# KiCad board Si5351ABreakout_panel.kicad_pcb (continued)
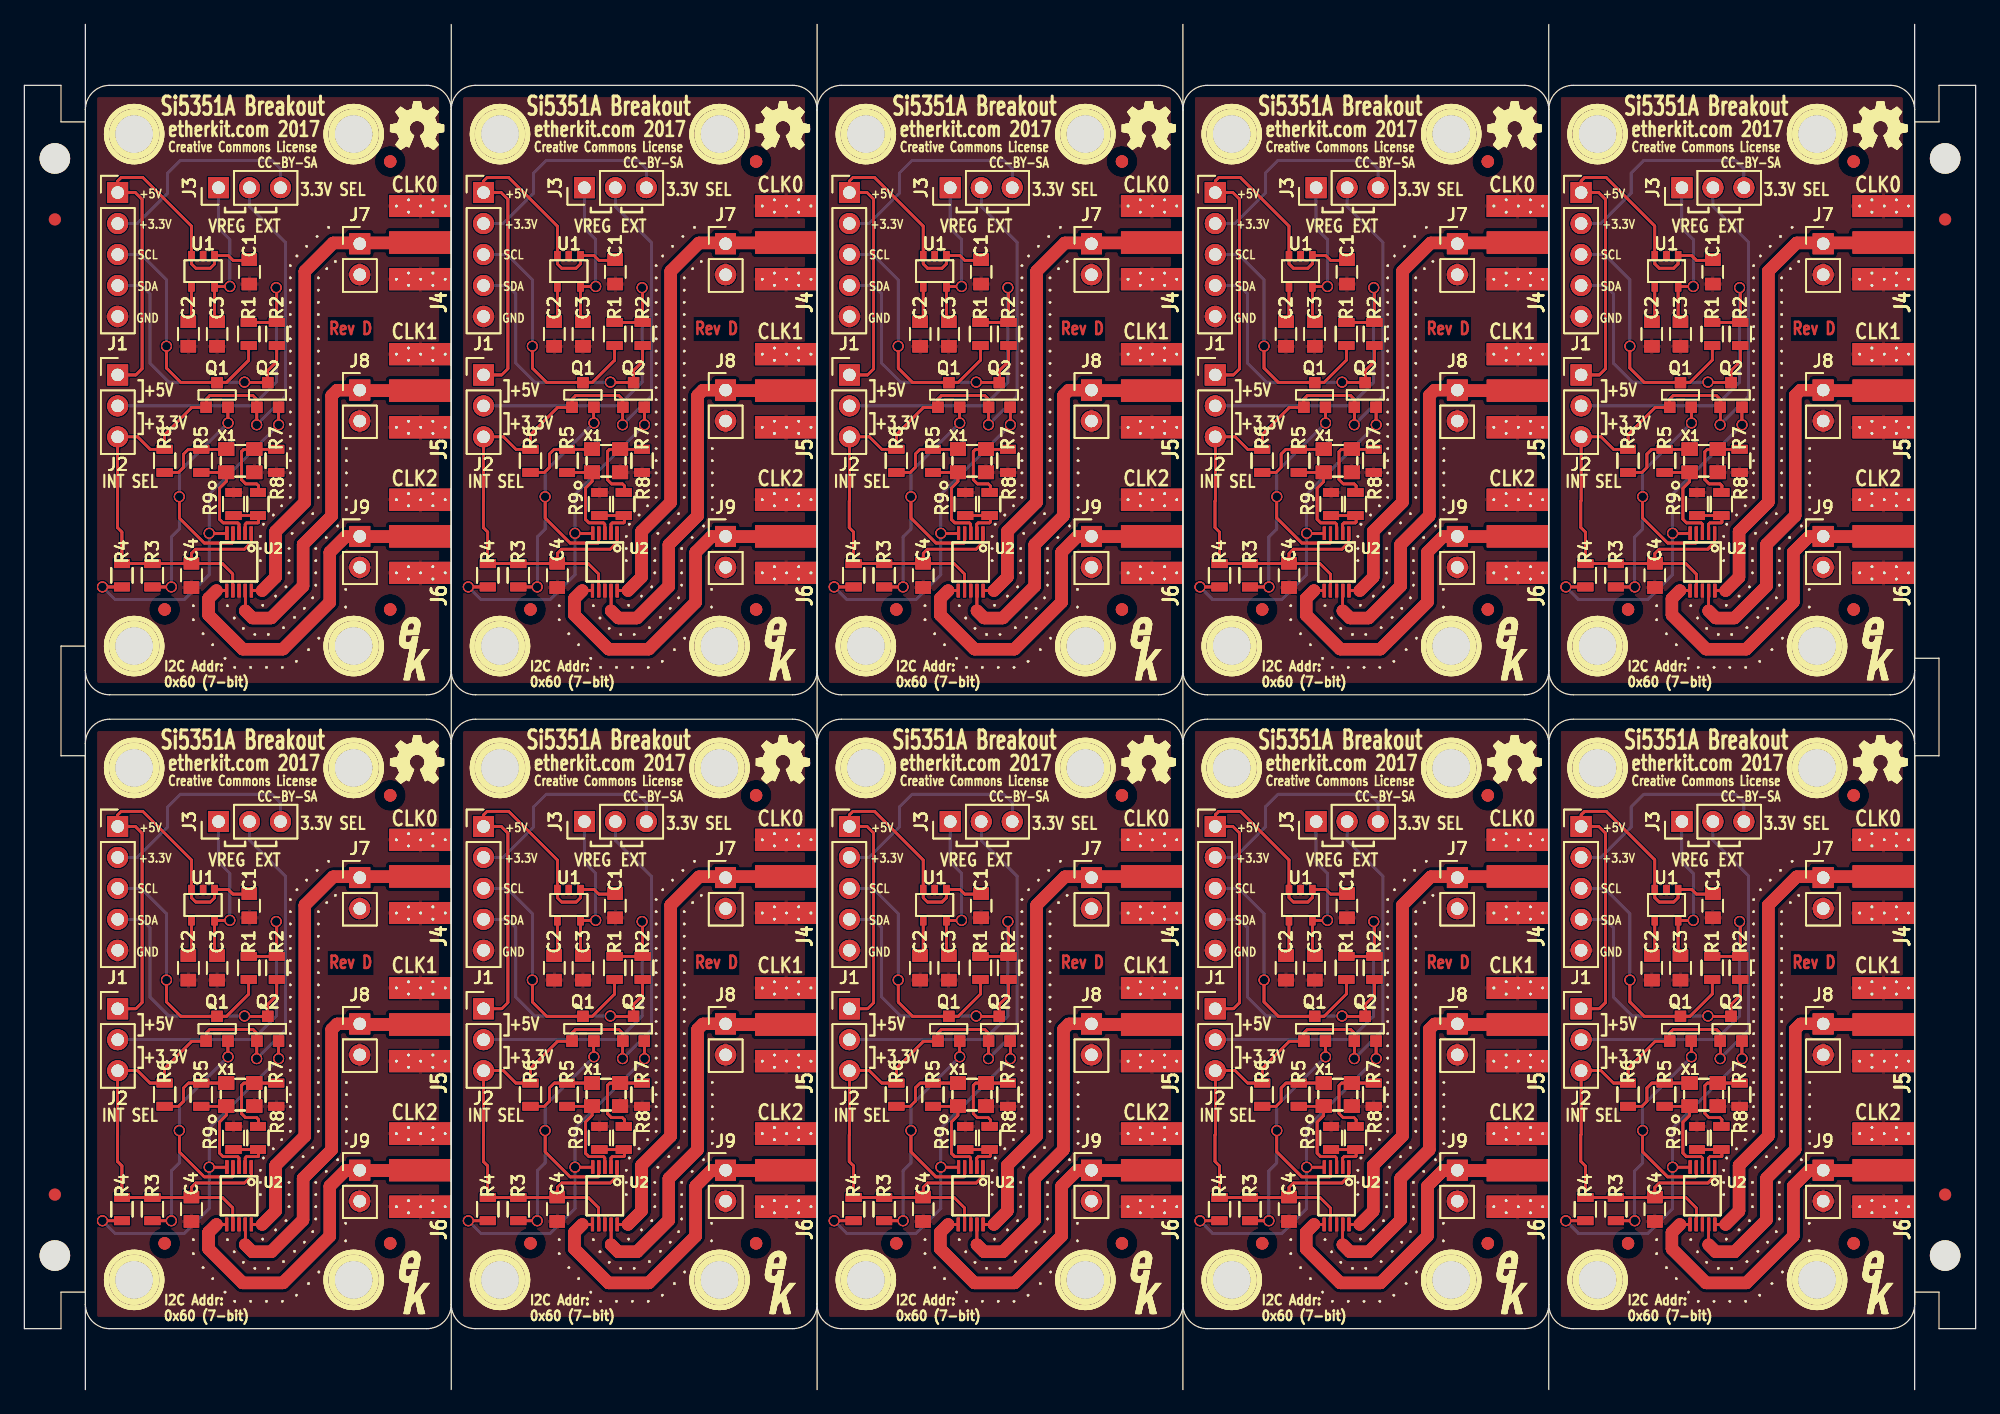
[diagram p0: board, top side]
## Nets (continued)
 VIA#1483. VIA#1484. VIA#1485. VIA#1486. VIA#1487. VIA#1488. VIA#1489. VIA#1490. VIA#1491. VIA#1492. VIA#1493. VIA#1494. VIA#1495. VIA#1496. VIA#1497. VIA#1498. VIA#1499. VIA#1500. VIA#1501. VIA#1502. VIA#1503. VIA#1504. VIA#1505. VIA#1506. VIA#1507. VIA#1508. VIA#1509. VIA#1510. VIA#1511. VIA#1512. VIA#1513. VIA#1514. VIA#1515. VIA#1516. VIA#1517. VIA#1518. VIA#1519. VIA#1520. VIA#1521. VIA#1522. VIA#1523. VIA#1524. VIA#1525. VIA#1526. VIA#1527. VIA#1528. VIA#1529. VIA#1530. VIA#1531. VIA#1532. VIA#1533. VIA#1534. VIA#1535. VIA#1536. VIA#1537. VIA#1538. VIA#1539. VIA#1540. VIA#1541. VIA#1542. VIA#1543. VIA#1544. VIA#1545. VIA#1546. VIA#1547. VIA#1548. VIA#1549. VIA#1550. VIA#1551. VIA#1552. VIA#1553. VIA#1554. VIA#1555. VIA#1556. VIA#1557. VIA#1558. VIA#1559. VIA#1560. VIA#1561. VIA#1562. VIA#1563. VIA#1564. VIA#1565. VIA#1566. VIA#1567. VIA#1568. VIA#1569. VIA#1570. VIA#1571. VIA#1572. VIA#1573. VIA#1574. VIA#1575. VIA#1576. VIA#1577. VIA#1578. VIA#1579. VIA#1580. VIA#1581. VIA#1582. VIA#1583. VIA#1584. VIA#1585. VIA#1586. VIA#1587. VIA#1588. VIA#1589. VIA#1590. VIA#1591. VIA#1592. VIA#1593. VIA#1594. VIA#1595. VIA#1596. VIA#1597. VIA#1598. VIA#1599. VIA#1600. VIA#1601. VIA#1602. VIA#1603. VIA#1604. VIA#1605. VIA#1606. VIA#1607. VIA#1608. VIA#1609. VIA#1610. VIA#1611. VIA#1612. VIA#1613. VIA#1614. VIA#1615. VIA#1616. VIA#1617. VIA#1618. VIA#1619. VIA#1620. VIA#1621. VIA#1622. VIA#1623. VIA#1624. VIA#1625. VIA#1626. VIA#1627. VIA#1628. VIA#1629. VIA#1630. VIA#1631. VIA#1632. VIA#1633. VIA#1634. VIA#1635. VIA#1636. VIA#1637. VIA#1638. VIA#1639. VIA#1640. VIA#1641. VIA#1642. VIA#1643. VIA#1644. VIA#1645. VIA#1646. VIA#1647. VIA#1648. VIA#1649. VIA#1650. VIA#1651. VIA#1652. VIA#1653. VIA#1654. VIA#1655. VIA#1656. VIA#1657. VIA#1658. VIA#1659. VIA#1660. VIA#1661. VIA#1662. VIA#1663. VIA#1664. VIA#1665. VIA#1666. VIA#1667. VIA#1668. VIA#1669. VIA#1670. VIA#1671. VIA#1672. VIA#1673. VIA#1674. VIA#1675. VIA#1676. VIA#1677. VIA#1678. VIA#1679. VIA#1680. VIA#1681. VIA#1682. VIA#1683. VIA#1684. VIA#1685. VIA#1686. VIA#1687. VIA#1688. VIA#1689. VIA#1690. VIA#1691. VIA#1692. VIA#1693. VIA#1694. VIA#1695. VIA#1696. VIA#1697. VIA#1698. VIA#1699. VIA#1700. VIA#1701. VIA#1702. VIA#1703. VIA#1704. VIA#1705. VIA#1706. VIA#1707. VIA#1708. VIA#1709. VIA#1710. VIA#1711. VIA#1712. VIA#1713. VIA#1714. VIA#1715. VIA#1716. VIA#1717. VIA#1718. VIA#1719. VIA#1720. VIA#1721. VIA#1722. VIA#1723. VIA#1724. VIA#1725. VIA#1726. VIA#1727. VIA#1728. VIA#1729. VIA#1730. VIA#1731. VIA#1732. VIA#1733. VIA#1734. VIA#1735. VIA#1736. VIA#1737. VIA#1738. VIA#1739. VIA#1740. VIA#1741. VIA#1742. VIA#1743. VIA#1744. VIA#1745. VIA#1746. VIA#1747. VIA#1748. VIA#1749. VIA#1750. VIA#1751. VIA#1752. VIA#1753. VIA#1754. VIA#1755. VIA#1756. VIA#1757. VIA#1758. VIA#1759. VIA#1760. VIA#1761. VIA#1762. VIA#1763. VIA#1764. VIA#1765. VIA#1766. VIA#1767. VIA#1768. VIA#1769. VIA#1770. VIA#1771. VIA#1772. VIA#1773. VIA#1774. VIA#1775. VIA#1776. VIA#1777. VIA#1778. VIA#1779. VIA#1780. VIA#1781. VIA#1782. VIA#1783. VIA#1784. VIA#1785. VIA#1786. VIA#1787. VIA#1788. VIA#1789. VIA#1790. VIA#1791. VIA#1792. VIA#1793. VIA#1794. VIA#1795. VIA#1796. VIA#1797. VIA#1798. VIA#1799. VIA#1800. VIA#1801. VIA#1802. VIA#1803. VIA#1804. VIA#1805. VIA#1806. VIA#1807. VIA#1808. VIA#1809. VIA#1810. VIA#1811. VIA#1812. VIA#1813. VIA#1814. VIA#1815. VIA#1816. VIA#1817. VIA#1818. VIA#1819. VIA#1820. VIA#1821. VIA#1822. VIA#1823. VIA#1824. VIA#1825. VIA#1826. VIA#1827. VIA#1828. VIA#1829. VIA#1830. VIA#1831. VIA#1832. VIA#1833. VIA#1834. VIA#1835. VIA#1836. VIA#1837. VIA#1838. VIA#1839. VIA#1840. VIA#1841. VIA#1842. VIA#1843. VIA#1844. VIA#1845. VIA#1846. VIA#1847. VIA#1848. VIA#1849. VIA#1850. VIA#1851. VIA#1852. VIA#1853. VIA#1854. VIA#1855. VIA#1856. VIA#1857. VIA#1858. VIA#1859. VIA#1860. VIA#1861. VIA#1862. VIA#1863. VIA#1864. VIA#1865. VIA#1866. VIA#1867. VIA#1868. VIA#1869. VIA#1870. VIA#1871. VIA#1872. VIA#1873. VIA#1874. VIA#1875. VIA#1876. VIA#1877. VIA#1878. VIA#1879. VIA#1880. VIA#1881. VIA#1882. VIA#1883. VIA#1884. VIA#1885. VIA#1886. VIA#1887. VIA#1888. VIA#1889. VIA#1890. VIA#1891. VIA#1892. VIA#1893. VIA#1894. VIA#1895. VIA#1896. VIA#1897. VIA#1898. VIA#1899. VIA#1900. VIA#1901. VIA#1902. VIA#1903. VIA#1904. VIA#1905. VIA#1906. VIA#1907. VIA#1908. VIA#1909. VIA#1910. VIA#1911. VIA#1912. VIA#1913. VIA#1914. VIA#1915. VIA#1916. VIA#1917. VIA#1918. VIA#1919. VIA#1920. VIA#1921. VIA#1922. VIA#1923. VIA#1924. VIA#1925. VIA#1926. VIA#1927. VIA#1928. VIA#1929. VIA#1930. VIA#1931. VIA#1932. VIA#1933. VIA#1934. VIA#1935. VIA#1936. VIA#1937. VIA#1938. VIA#1939. VIA#1940. VIA#1941. VIA#1942. VIA#1943. VIA#1944. VIA#1945. VIA#1946. VIA#1947. VIA#1948. VIA#1949. VIA#1950. VIA#1951. VIA#1952. VIA#1953. VIA#1954. VIA#1955. VIA#1956. VIA#1957. VIA#1958. VIA#1959. VIA#1960. VIA#1961. VIA#1962. VIA#1963. VIA#1964. VIA#1965. VIA#1966. VIA#1967. VIA#1968. VIA#1969. VIA#1970. VIA#1971. VIA#1972. VIA#1973. VIA#1974. VIA#1975. VIA#1976. VIA#1977. VIA#1978. VIA#1979. VIA#1980. VIA#1981. VIA#1982. VIA#1983. VIA#1984. VIA#1985. VIA#1986. VIA#1987. VIA#1988. VIA#1989. VIA#1990. VIA#1991. VIA#1992. VIA#1993. VIA#1994. VIA#1995. VIA#1996. VIA#1997. VIA#1998. VIA#1999. VIA#2000. VIA#2001. VIA#2002. VIA#2003. VIA#2004. VIA#2005. VIA#2006. VIA#2007. VIA#2008. VIA#2009. VIA#2010. VIA#2011. VIA#2012. VIA#2013. VIA#2014. VIA#2015. VIA#2016. VIA#2017. VIA#2018. VIA#2019. VIA#2020. VIA#2021. VIA#2022. VIA#2023. VIA#2024. VIA#2025. VIA#2026. VIA#2027. VIA#2028. VIA#2029. VIA#2030. VIA#2031. VIA#2032. VIA#2033. VIA#2034. VIA#2035. VIA#2036. VIA#2037. VIA#2038. VIA#2039. VIA#2040. VIA#2041. VIA#2042. VIA#2043. VIA#2044. VIA#2045. VIA#2046. VIA#2047. VIA#2048. VIA#2049. VIA#2050. VIA#2051. VIA#2052. VIA#2053. VIA#2054. VIA#2055. VIA#2056. VIA#2057. VIA#2058. VIA#2059. VIA#2060. VIA#2061. VIA#2062. VIA#2063. VIA#2064. VIA#2065. VIA#2066. VIA#2067. VIA#2068. VIA#2069. VIA#2070. VIA#2071. VIA#2072. VIA#2073. VIA#2074. VIA#2075. VIA#2076. VIA#2077. VIA#2078. VIA#2079. VIA#2080. VIA#2081. VIA#2082. VIA#2083. VIA#2084. VIA#2085. VIA#2086. VIA#2087. VIA#2088. VIA#2089. VIA#2090. VIA#2091. VIA#2092. VIA#2093. VIA#2094. VIA#2095. VIA#2096. VIA#2097. VIA#2098. VIA#2099. VIA#2100. VIA#2101. VIA#2102. VIA#2103. VIA#2104. VIA#2105. VIA#2106. VIA#2107. VIA#2108. VIA#2109. VIA#2110. VIA#2111. VIA#2112. VIA#2113. VIA#2114. VIA#2115. VIA#2116. VIA#2117. VIA#2118. VIA#2119. VIA#2120. VIA#2121. VIA#2122. VIA#2123. VIA#2124. VIA#2125. VIA#2126. VIA#2127. VIA#2128. VIA#2129. VIA#2130. VIA#2131. VIA#2132. VIA#2133. VIA#2134. VIA#2135. VIA#2136. VIA#2137. VIA#2138. VIA#2139. VIA#2140. VIA#2141. VIA#2142. VIA#2143. VIA#2144. VIA#2145. VIA#2146. VIA#2147. VIA#2148. VIA#2149. VIA#2150. VIA#2151. VIA#2152. VIA#2153. VIA#2154. VIA#2155. VIA#2156. VIA#2157. VIA#2158. VIA#2159. VIA#2160. VIA#2161. VIA#2162. VIA#2163. VIA#2164. VIA#2165. VIA#2166. VIA#2167. VIA#2168. VIA#2169. VIA#2170. VIA#2171. VIA#2172. VIA#2173. VIA#2174. VIA#2175. VIA#2176. VIA#2177. VIA#2178. VIA#2179. VIA#2180. VIA#2181. VIA#2182. VIA#2183. VIA#2184. VIA#2185. VIA#2186. VIA#2187. VIA#2188. VIA#2189. VIA#2190. VIA#2191. VIA#2192. VIA#2193. VIA#2194. VIA#2195. VIA#2196. VIA#2197. VIA#2198. VIA#2199. VIA#2200. VIA#2201. VIA#2202. VIA#2203. VIA#2204. VIA#2205. VIA#2206. VIA#2207. VIA#2208. VIA#2209. VIA#2210. VIA#2211. VIA#2212. VIA#2213. VIA#2214. VIA#2215. VIA#2216. VIA#2217. VIA#2218. VIA#2219. VIA#2220. VIA#2221. VIA#2222. VIA#2223. VIA#2224. VIA#2225. VIA#2226. VIA#2227. VIA#2228. VIA#2229. VIA#2230. VIA#2231. VIA#2232. VIA#2233. VIA#2234. VIA#2235. VIA#2236. VIA#2237. VIA#2238. VIA#2239. VIA#2240. VIA#2241. VIA#2242. VIA#2243. VIA#2244. VIA#2245. VIA#2246. VIA#2247. VIA#2248. VIA#2249. VIA#2250. VIA#2251. VIA#2252. VIA#2253. VIA#2254. VIA#2255. VIA#2256. VIA#2257. VIA#2258. VIA#2259. VIA#2260. VIA#2261. VIA#2262. VIA#2263. VIA#2264. VIA#2265. VIA#2266. VIA#2267. VIA#2268. VIA#2269. VIA#2270. VIA#2271. VIA#2272. VIA#2273. VIA#2274. VIA#2275. VIA#2276. VIA#2277. VIA#2278. VIA#2279. VIA#2280. VIA#2281. VIA#2282. VIA#2283. VIA#2284. VIA#2285. VIA#2286. VIA#2287. VIA#2288. VIA#2289. VIA#2290. VIA#2291. VIA#2292. VIA#2293. VIA#2294. VIA#2295. VIA#2296. VIA#2297. VIA#2298. VIA#2299. VIA#2300. VIA#2301. VIA#2302. VIA#2303. VIA#2304. VIA#2305. VIA#2306. VIA#2307. VIA#2308. VIA#2309. VIA#2310. VIA#2311. VIA#2312. VIA#2313. VIA#2314. VIA#2315. VIA#2316. VIA#2317. VIA#2318. VIA#2319. VIA#2320. VIA#2321. VIA#2322. VIA#2323. VIA#2324. VIA#2325. VIA#2326. VIA#2327. VIA#2328. VIA#2329. VIA#2330. VIA#2331. VIA#2332. VIA#2333. VIA#2334. VIA#2335. VIA#2336. VIA#2337. VIA#2338. VIA#2339. VIA#2340. VIA#2341. VIA#2342. VIA#2343. VIA#2344. VIA#2345. VIA#2346. VIA#2347. VIA#2348. VIA#2349. VIA#2350. VIA#2351. VIA#2352. VIA#2353. VIA#2354. VIA#2355. VIA#2356. VIA#2357. VIA#2358. VIA#2359. VIA#2360. VIA#2361. VIA#2362. VIA#2363. VIA#2364. VIA#2365. VIA#2366. VIA#2367. VIA#2368. VIA#2369. VIA#2370. VIA#2371. VIA#2372. VIA#2373. VIA#2374. VIA#2375. VIA#2376. VIA#2377. VIA#2378. VIA#2379. VIA#2380. VIA#2381. VIA#2382. VIA#2383. VIA#2384. VIA#2385. VIA#2386. VIA#2387. VIA#2388. VIA#2389. VIA#2390. VIA#2391. VIA#2392. VIA#2393. VIA#2394. VIA#2395. VIA#2396. VIA#2397. VIA#2398. VIA#2399. VIA#2400. VIA#2401. VIA#2402. VIA#2403. VIA#2404. VIA#2405. VIA#2406. VIA#2407. VIA#2408. VIA#2409. VIA#2410. VIA#2411. VIA#2412. VIA#2413. VIA#2414. VIA#2415. VIA#2416. VIA#2417. VIA#2418. VIA#2419. VIA#2420. VIA#2421. VIA#2422. VIA#2423. VIA#2424. VIA#2425. VIA#2426. VIA#2427. VIA#2428. VIA#2429. VIA#2430. VIA#2431. VIA#2432. VIA#2433. VIA#2434. VIA#2435. VIA#2436. VIA#2437. VIA#2438. VIA#2439. VIA#2440. VIA#2441. VIA#2442. VIA#2443. VIA#2444. VIA#2445. VIA#2446. VIA#2447. VIA#2448. VIA#2449. VIA#2450. VIA#2451. VIA#2452. VIA#2453. VIA#2454. VIA#2455. VIA#2456. VIA#2457. VIA#2458. VIA#2459. VIA#2460. VIA#2461. VIA#2462. VIA#2463. VIA#2464. VIA#2465. VIA#2466. VIA#2467. VIA#2468. VIA#2469. VIA#2470. VIA#2471. VIA#2472. VIA#2473. VIA#2474. VIA#2475. VIA#2476. VIA#2477. VIA#2478. VIA#2479. VIA#2480. VIA#2481. VIA#2482. VIA#2483. VIA#2484. VIA#2485. VIA#2486. VIA#2487. VIA#2488. VIA#2489. VIA#2490. VIA#2491. VIA#2492. VIA#2493. VIA#2494. VIA#2495. VIA#2496. VIA#2497. VIA#2498. VIA#2499. VIA#2500. VIA#2501. VIA#2502. VIA#2503. VIA#2504. VIA#2505. VIA#2506. VIA#2507. VIA#2508. VIA#2509. VIA#2510. VIA#2511. VIA#2512. VIA#2513. VIA#2514. VIA#2515. VIA#2516. VIA#2517. VIA#2518. VIA#2519. VIA#2520. VIA#2521. VIA#2522. VIA#2523. VIA#2524. VIA#2525. VIA#2526. VIA#2527. VIA#2528. VIA#2529. VIA#2530. VIA#2531. VIA#2532. VIA#2533. VIA#2534. VIA#2535. VIA#2536. VIA#2537. VIA#2538. VIA#2539. VIA#2540. VIA#2541. VIA#2542. VIA#2543. VIA#2544. VIA#2545. VIA#2546. VIA#2547. VIA#2548. VIA#2549. VIA#2550. VIA#2551. VIA#2552. VIA#2553. VIA#2554. VIA#2555. VIA#2556. VIA#2557. VIA#2558. VIA#2559. VIA#2560. VIA#2561. VIA#2562. VIA#2563. VIA#2564. VIA#2565. VIA#2566. VIA#2567. VIA#2568. VIA#2569. VIA#2570. VIA#2571. VIA#2572. VIA#2573. VIA#2574. VIA#2575. VIA#2576. VIA#2577. VIA#2578. VIA#2579. VIA#2580. VIA#2581. VIA#2582. VIA#2583. VIA#2584. VIA#2585. VIA#2586. VIA#2587. VIA#2588. VIA#2589. VIA#2590. VIA#2591. VIA#2592. VIA#2593. VIA#2594. VIA#2595. VIA#2596. VIA#2597. VIA#2598. VIA#2599. VIA#2600. VIA#2601. VIA#2602. VIA#2603. VIA#2604. VIA#2605. VIA#2606. VIA#2607. VIA#2608. VIA#2609. VIA#2610. VIA#2611. VIA#2612. VIA#2613. VIA#2614. VIA#2615. VIA#2616. VIA#2617. VIA#2618. VIA#2619. VIA#2620. VIA#2621. VIA#2622. VIA#2623. VIA#2624. VIA#2625. VIA#2626. VIA#2627. VIA#2628. VIA#2629. VIA#2630. VIA#2631. VIA#2632. VIA#2633. VIA#2634. VIA#2635. VIA#2636. VIA#2637. VIA#2638. VIA#2639. VIA#2640. VIA#2641. VIA#2642. VIA#2643. VIA#2644. VIA#2645. VIA#2646. VIA#2647. VIA#2648. VIA#2649. VIA#2650. VIA#2651. VIA#2652. VIA#2653. VIA#2654. VIA#2655. VIA#2656. VIA#2657. VIA#2658. VIA#2659. VIA#2660. VIA#2661. VIA#2662. VIA#2663. VIA#2664. VIA#2665. VIA#2666. VIA#2667. VIA#2668. VIA#2669. VIA#2670. VIA#2671. VIA#2672. VIA#2673. VIA#2674. VIA#2675. VIA#2676. VIA#2677. VIA#2678. VIA#2679. VIA#2680. VIA#2681. VIA#2682. VIA#2683. VIA#2684. VIA#2685. VIA#2686. VIA#2687. VIA#2688. VIA#2689. VIA#2690. VIA#2691. VIA#2692. VIA#2693. VIA#2694. VIA#2695. VIA#2696. VIA#2697. VIA#2698. VIA#2699. VIA#2700. VIA#2701. VIA#2702. VIA#2703. VIA#2704. VIA#2705. VIA#2706. VIA#2707. VIA#2708. VIA#2709. VIA#2710. VIA#2711. VIA#2712. VIA#2713. VIA#2714. VIA#2715. VIA#2716. VIA#2717. VIA#2718. VIA#2719. VIA#2720. VIA#2721. VIA#2722. VIA#2723. VIA#2724. VIA#2725. VIA#2726. VIA#2727. VIA#2728. VIA#2729. VIA#2730. VIA#2731. VIA#2732. VIA#2733. VIA#2734. VIA#2735. VIA#2736. VIA#2737. VIA#2738. VIA#2739. VIA#2740. VIA#2741. VIA#2742. VIA#2743. VIA#2744. VIA#2745. VIA#2746. VIA#2747. VIA#2748. VIA#2749. VIA#2750. VIA#2751. VIA#2752. VIA#2753. VIA#2754. VIA#2755. VIA#2756. VIA#2757. VIA#2758. VIA#2759. VIA#2760. VIA#2761. VIA#2762. VIA#2763. VIA#2764. VIA#2765. VIA#2766. VIA#2767. VIA#2768. VIA#2769. VIA#2770. VIA#2771. VIA#2772. VIA#2773. VIA#2774. VIA#2775. VIA#2776. VIA#2777. VIA#2778. VIA#2779. VIA#2780. VIA#2781. VIA#2782. VIA#2783. VIA#2784. VIA#2785. VIA#2786. VIA#2787. VIA#2788. VIA#2789. VIA#2790. VIA#2791. VIA#2792. VIA#2793. VIA#2794. VIA#2795. VIA#2796. VIA#2797. VIA#2798. VIA#2799. VIA#2800. VIA#2801. VIA#2802. VIA#2803. VIA#2804. VIA#2805. VIA#2806. VIA#2807. VIA#2808. VIA#2809. VIA#2810. VIA#2811. VIA#2812. VIA#2813. VIA#2814. VIA#2815. VIA#2816. VIA#2817. VIA#2818. VIA#2819. VIA#2820. VIA#2821. VIA#2822. VIA#2823. VIA#2824. VIA#2825. VIA#2826. VIA#2827. VIA#2828. VIA#2829. VIA#2830. VIA#2831. VIA#2832. VIA#2833. VIA#2834. VIA#2835. VIA#2836. VIA#2837. VIA#2838. VIA#2839. VIA#2840. VIA#2841. VIA#2842. VIA#2843. VIA#2844. VIA#2845. VIA#2846. VIA#2847. VIA#2848. VIA#2849. VIA#2850. VIA#2851. VIA#2852. VIA#2853. VIA#2854. VIA#2855. VIA#2856. VIA#2857. VIA#2858. VIA#2859. VIA#2860. VIA#2861. VIA#2862. VIA#2863. VIA#2864. VIA#2865. VIA#2866. VIA#2867. VIA#2868. VIA#2869. VIA#2870. VIA#2871. VIA#2872. VIA#2873. VIA#2874. VIA#2875. VIA#2876. VIA#2877. VIA#2878. VIA#2879. VIA#2880. VIA#2881. VIA#2882. VIA#2883. VIA#2884. VIA#2885. VIA#2886. VIA#2887. VIA#2888. VIA#2889. VIA#2890. VIA#2891. VIA#2892. VIA#2893. VIA#2894. VIA#2895. VIA#2896. VIA#2897. VIA#2898. VIA#2899. VIA#2900. VIA#2901. VIA#2902. VIA#2903. VIA#2904. VIA#2905. VIA#2906. VIA#2907. VIA#2908. VIA#2909. VIA#2910. VIA#2911. VIA#2912. VIA#2913. VIA#2914. VIA#2915. VIA#2916. VIA#2917. VIA#2918. VIA#2919. VIA#2920. VIA#2921. VIA#2922. VIA#2923. VIA#2924. VIA#2925. VIA#2926. VIA#2927. VIA#2928. VIA#2929. VIA#2930. VIA#2931. VIA#2932. VIA#2933. VIA#2934. VIA#2935. VIA#2936. VIA#2937. VIA#2938. VIA#2939. VIA#2940. VIA#2941. VIA#2942. VIA#2943. VIA#2944. VIA#2945. VIA#2946. VIA#2947. VIA#2948. VIA#2949. VIA#2950. VIA#2951. VIA#2952. VIA#2953. VIA#2954. VIA#2955. VIA#2956. VIA#2957. VIA#2958. VIA#2959. VIA#2960. VIA#2961. VIA#2962. VIA#2963. VIA#2964. VIA#2965. VIA#2966. VIA#2967. VIA#2968. VIA#2969. VIA#2970. VIA#2971. VIA#2972. VIA#2973. VIA#2974. VIA#2975. VIA#2976. VIA#2977. VIA#2978. VIA#2979. VIA#2980. VIA#2981. VIA#2982. VIA#2983. VIA#2984. VIA#2985. VIA#2986. VIA#2987. VIA#2988. VIA#2989. VIA#2990. VIA#2991. VIA#2992. VIA#2993. VIA#2994. VIA#2995. VIA#2996. VIA#2997. VIA#2998. VIA#2999. VIA#3000. VIA#3001. VIA#3002. VIA#3003. VIA#3004. VIA#3005. VIA#3006. VIA#3007. VIA#3008. VIA#3009. VIA#3010. VIA#3011. VIA#3012. VIA#3013. VIA#3014. VIA#3015. VIA#3016. VIA#3017. VIA#3018. VIA#3019. VIA#3020. VIA#3021. VIA#3022. VIA#3023. VIA#3024. VIA#3025. VIA#3026. VIA#3027. VIA#3028. VIA#3029. VIA#3030. VIA#3031. VIA#3032. VIA#3033. VIA#3034. VIA#3035. VIA#3036. VIA#3037. VIA#3038. VIA#3039. VIA#3040. VIA#3041. VIA#3042. VIA#3043. VIA#3044. VIA#3045. VIA#3046. VIA#3047. VIA#3048. VIA#3049. VIA#3050. VIA#3051. VIA#3052. VIA#3053. VIA#3054. VIA#3055. VIA#3056. VIA#3057. VIA#3058. VIA#3059. VIA#3060. VIA#3061. VIA#3062. VIA#3063. VIA#3064. VIA#3065. VIA#3066. VIA#3067. VIA#3068. VIA#3069. VIA#3070. VIA#3071. VIA#3072. VIA#3073. VIA#3074. VIA#3075. VIA#3076. VIA#3077. VIA#3078. VIA#3079. VIA#3080. VIA#3081. VIA#3082. VIA#3083. VIA#3084. VIA#3085. VIA#3086. VIA#3087. VIA#3088. VIA#3089. VIA#3090. VIA#3091. VIA#3092. VIA#3093. VIA#3094. VIA#3095. VIA#3096. VIA#3097. VIA#3098. VIA#3099. VIA#3100. VIA#3101. VIA#3102. VIA#3103. VIA#3104. VIA#3105. VIA#3106. VIA#3107. VIA#3108. VIA#3109. VIA#3110. VIA#3111. VIA#3112. VIA#3113. VIA#3114. VIA#3115. VIA#3116. VIA#3117. VIA#3118. VIA#3119. VIA#3120. VIA#3121. VIA#3122. VIA#3123. VIA#3124. VIA#3125. VIA#3126. VIA#3127. VIA#3128. VIA#3129. VIA#3130. VIA#3131. VIA#3132. VIA#3133. VIA#3134. VIA#3135. VIA#3136. VIA#3137. VIA#3138. VIA#3139. VIA#3140. VIA#3141. VIA#3142. VIA#3143. VIA#3144. VIA#3145. VIA#3146. VIA#3147. VIA#3148. VIA#3149. VIA#3150. VIA#3151. VIA#3152. VIA#3153. VIA#3154. VIA#3155. VIA#3156. VIA#3157. VIA#3158. VIA#3159. VIA#3160. VIA#3161. VIA#3162. VIA#3163. VIA#3164. VIA#3165. VIA#3166. VIA#3167. VIA#3168. VIA#3169. VIA#3170. VIA#3171. VIA#3172. VIA#3173. VIA#3174. VIA#3175. VIA#3176. VIA#3177. VIA#3178. VIA#3179. VIA#3180. VIA#3181. VIA#3182. VIA#3183. VIA#3184. VIA#3185. VIA#3186. VIA#3187. VIA#3188. VIA#3189. VIA#3190. VIA#3191. VIA#3192. VIA#3193. VIA#3194. VIA#3195. VIA#3196. VIA#3197. VIA#3198. VIA#3199. VIA#3200. VIA#3201. VIA#3202. VIA#3203. VIA#3204. VIA#3205. VIA#3206. VIA#3207. VIA#3208. VIA#3209. VIA#3210. VIA#3211. VIA#3212. VIA#3213. VIA#3214. VIA#3215. VIA#3216. VIA#3217. VIA#3218. VIA#3219. VIA#3220. VIA#3221. VIA#3222. VIA#3223. VIA#3224. VIA#3225. VIA#3226. VIA#3227. VIA#3228. VIA#3229. VIA#3230. VIA#3231. VIA#3232. VIA#3233. VIA#3234. VIA#3235. VIA#3236. VIA#3237. VIA#3238. VIA#3239. VIA#3240. VIA#3241. VIA#3242. VIA#3243. VIA#3244. VIA#3245. VIA#3246. VIA#3247. VIA#3248. VIA#3249. VIA#3250. VIA#3251. VIA#3252. VIA#3253. VIA#3254. VIA#3255. VIA#3256. VIA#3257. VIA#3258. VIA#3259. VIA#3260. VIA#3261. VIA#3262. VIA#3263. VIA#3264. VIA#3265. VIA#3266. VIA#3267. VIA#3268. VIA#3269. VIA#3270. VIA#3271. VIA#3272. VIA#3273. VIA#3274. VIA#3275. VIA#3276. VIA#3277. VIA#3278. VIA#3279. VIA#3280. VIA#3281. VIA#3282. VIA#3283. VIA#3284. VIA#3285. VIA#3286. VIA#3287. VIA#3288. VIA#3289. VIA#3290. VIA#3291. VIA#3292. VIA#3293. VIA#3294. VIA#3295. VIA#3296. VIA#3297. VIA#3298. VIA#3299. VIA#3300. VIA#3301. VIA#3302. VIA#3303. VIA#3304. VIA#3305. VIA#3306. VIA#3307. VIA#3308. VIA#3309. VIA#3310. VIA#3311. VIA#3312. VIA#3313. VIA#3314. VIA#3315. VIA#3316. VIA#3317. VIA#3318. VIA#3319. VIA#3320. VIA#3321. VIA#3322. VIA#3323. VIA#3324. VIA#3325. VIA#3326. VIA#3327. VIA#3328. VIA#3329. VIA#3330. VIA#3331. VIA#3332. VIA#3333. VIA#3334. VIA#3335. VIA#3336. VIA#3337. VIA#3338. VIA#3339. VIA#3340. VIA#3341. VIA#3342. VIA#3343. VIA#3344. VIA#3345. VIA#3346. VIA#3347. VIA#3348. VIA#3349. VIA#3350. VIA#3351. VIA#3352. VIA#3353. VIA#3354. VIA#3355. VIA#3356. VIA#3357. VIA#3358. VIA#3359. VIA#3360. VIA#3361. VIA#3362. VIA#3363. VIA#3364. VIA#3365. VIA#3366. VIA#3367. VIA#3368. VIA#3369. VIA#3370. VIA#3371. VIA#3372. VIA#3373. VIA#3374. VIA#3375. VIA#3376. VIA#3377. VIA#3378. VIA#3379. VIA#3380. VIA#3381. VIA#3382. VIA#3383. VIA#3384. VIA#3385. VIA#3386. VIA#3387. VIA#3388. VIA#3389. VIA#3390. VIA#3391. VIA#3392. VIA#3393. VIA#3394. VIA#3395. VIA#3396. VIA#3397. VIA#3398. VIA#3399. VIA#3400. VIA#3401. VIA#3402. VIA#3403. VIA#3404. VIA#3405. VIA#3406. VIA#3407. VIA#3408. VIA#3409. VIA#3410. VIA#3411. VIA#3412. VIA#3413. VIA#3414. VIA#3415. VIA#3416. VIA#3417. VIA#3418. VIA#3419. VIA#3420. VIA#3421. VIA#3422. VIA#3423. VIA#3424. VIA#3425. VIA#3426. VIA#3427. VIA#3428. VIA#3429. VIA#3430. VIA#3431. VIA#3432. VIA#3433. VIA#3434. VIA#3435. VIA#3436. VIA#3437. VIA#3438. VIA#3439. VIA#3440. VIA#3441. VIA#3442. VIA#3443. VIA#3444. VIA#3445. VIA#3446. VIA#3447. VIA#3448. VIA#3449. VIA#3450. VIA#3451. VIA#3452. VIA#3453. VIA#3454. VIA#3455. VIA#3456. VIA#3457. VIA#3458. VIA#3459. VIA#3460. VIA#3461. VIA#3462. VIA#3463. VIA#3464. VIA#3465. VIA#3466. VIA#3467. VIA#3468. VIA#3469. VIA#3470. VIA#3471. VIA#3472. VIA#3473. VIA#3474. VIA#3475. VIA#3476. VIA#3477. VIA#3478. VIA#3479. VIA#3480. VIA#3481. VIA#3482. VIA#3483. VIA#3484. VIA#3485. VIA#3486. VIA#3487. VIA#3488. VIA#3489. VIA#3490. VIA#3491. VIA#3492. VIA#3493. VIA#3494. VIA#3495. VIA#3496. VIA#3497. VIA#3498. VIA#3499. VIA#3500. VIA#3501. VIA#3502. VIA#3503. VIA#3504. VIA#3505. VIA#3506. VIA#3507. VIA#3508. VIA#3509. VIA#3510. VIA#3511. VIA#3512. VIA#3513. VIA#3514. VIA#3515. VIA#3516. VIA#3517. VIA#3518. VIA#3519. VIA#3520. VIA#3521. VIA#3522. VIA#3523. VIA#3524. VIA#3525. VIA#3526. VIA#3527. VIA#3528. VIA#3529. VIA#3530. VIA#3531. VIA#3532. VIA#3533. VIA#3534. VIA#3535. VIA#3536. VIA#3537. VIA#3538. VIA#3539. VIA#3540. VIA#3541. VIA#3542. VIA#3543. VIA#3544. VIA#3545. VIA#3546. VIA#3547. VIA#3548. VIA#3549. VIA#3550. VIA#3551. VIA#3552. VIA#3553. VIA#3554. VIA#3555. VIA#3556. VIA#3557. VIA#3558. VIA#3559. VIA#3560. VIA#3561. VIA#3562. VIA#3563. VIA#3564. VIA#3565. VIA#3566. VIA#3567. VIA#3568. VIA#3569. VIA#3570. VIA#3571. VIA#3572. VIA#3573. VIA#3574. VIA#3575. VIA#3576. VIA#3577. VIA#3578. VIA#3579. VIA#3580. VIA#3581. VIA#3582. VIA#3583. VIA#3584. VIA#3585. VIA#3586. VIA#3587. VIA#3588. VIA#3589. VIA#3590. VIA#3591. VIA#3592. VIA#3593. VIA#3594. VIA#3595. VIA#3596. VIA#3597. VIA#3598. VIA#3599. VIA#3600. VIA#3601. VIA#3602. VIA#3603. VIA#3604. VIA#3605. VIA#3606. VIA#3607. VIA#3608. VIA#3609. VIA#3610. VIA#3611. VIA#3612. VIA#3613. VIA#3614. VIA#3615. VIA#3616. VIA#3617. VIA#3618. VIA#3619. VIA#3620. VIA#3621. VIA#3622. VIA#3623. VIA#3624. VIA#3625. VIA#3626. VIA#3627. VIA#3628. VIA#3629. VIA#3630. VIA#3631. VIA#3632. VIA#3633. VIA#3634. VIA#3635. VIA#3636. VIA#3637. VIA#3638. VIA#3639. VIA#3640. VIA#3641. VIA#3642. VIA#3643. VIA#3644. VIA#3645. VIA#3646. VIA#3647. VIA#3648. VIA#3649. VIA#3650. VIA#3651. VIA#3652. VIA#3653. VIA#3654. VIA#3655. VIA#3656. VIA#3657. VIA#3658. VIA#3659. VIA#3660. VIA#3661. VIA#3662. VIA#3663. VIA#3664. VIA#3665. VIA#3666. VIA#3667. VIA#3668. VIA#3669. VIA#3670. VIA#3671. VIA#3672. VIA#3673. VIA#3674. VIA#3675. VIA#3676. VIA#3677. VIA#3678. VIA#3679. VIA#3680. VIA#3681. VIA#3682. VIA#3683. VIA#3684. VIA#3685. VIA#3686. VIA#3687. VIA#3688. VIA#3689. VIA#3690. VIA#3691. VIA#3692. VIA#3693. VIA#3694. VIA#3695. VIA#3696. VIA#3697. VIA#3698. VIA#3699. VIA#3700. VIA#3701. VIA#3702. VIA#3703. VIA#3704. VIA#3705. VIA#3706. VIA#3707. VIA#3708. VIA#3709. VIA#3710. VIA#3711. VIA#3712. VIA#3713. VIA#3714. VIA#3715. VIA#3716. VIA#3717. VIA#3718. VIA#3719. VIA#3720. VIA#3721. VIA#3722. VIA#3723. VIA#3724. VIA#3725. VIA#3726. VIA#3727. VIA#3728. VIA#3729. VIA#3730. VIA#3731. VIA#3732. VIA#3733. VIA#3734. VIA#3735. VIA#3736. VIA#3737. VIA#3738. VIA#3739. VIA#3740. VIA#3741. VIA#3742. VIA#3743. VIA#3744. VIA#3745. VIA#3746. VIA#3747. VIA#3748. VIA#3749. VIA#3750. VIA#3751. VIA#3752. VIA#3753. VIA#3754. VIA#3755. VIA#3756. VIA#3757. VIA#3758. VIA#3759. VIA#3760. VIA#3761. VIA#3762. VIA#3763. VIA#3764. VIA#3765. VIA#3766. VIA#3767. VIA#3768. VIA#3769. VIA#3770. VIA#3771. VIA#3772. VIA#3773. VIA#3774. VIA#3775. VIA#3776. VIA#3777. VIA#3778. VIA#3779. VIA#3780. VIA#3781. VIA#3782. VIA#3783. VIA#3784. VIA#3785. VIA#3786. VIA#3787. VIA#3788. VIA#3789. VIA#3790. VIA#3791. VIA#3792. VIA#3793. VIA#3794. VIA#3795. VIA#3796. VIA#3797. VIA#3798. VIA#3799. VIA#3800. X1.2 X1#2.2 X1#3.2 X1#4.2 X1#5.2 X1#6.2 X1#7.2 X1#8.2 X1#9.2 X1#10.2 X1#11.2 X1#12.2 X1#13.2 X1#14.2 X1#15.2 X1#16.2 X1#17.2 X1#18.2 X1#19.2 X1#20.2 X1#21.2 X1#22.2 X1#23.2 X1#24.2 X1#25.2 X1#26.2 X1#27.2 X1#28.2 X1#29.2 X1#30.2 X1#31.2 X1#32.2 X1#33.2 X1#34.2 X1#35.2 X1#36.2 X1#37.2 X1#38.2 X1#39.2 X1#40.2
Net-(C2-Pad1): C2.1 C2#2.1 C2#3.1 C2#4.1 C2#5.1 C2#6.1 C2#7.1 C2#8.1 C2#9.1 C2#10.1 C2#11.1 C2#12.1 C2#13.1 C2#14.1 C2#15.1 C2#16.1 C2#17.1 C2#18.1 C2#19.1 C2#20.1 C2#21.1 C2#22.1 C2#23.1 C2#24.1 C2#25.1 C2#26.1 C2#27.1 C2#28.1 C2#29.1 C2#30.1 C2#31.1 C2#32.1 C2#33.1 C2#34.1 C2#35.1 C2#36.1 C2#37.1 C2#38.1 C2#39.1 C2#40.1 U1.4 U1#2.4 U1#3.4 U1#4.4 U1#5.4 U1#6.4 U1#7.4 U1#8.4 U1#9.4 U1#10.4 U1#11.4 U1#12.4 U1#13.4 U1#14.4 U1#15.4 U1#16.4 U1#17.4 U1#18.4 U1#19.4 U1#20.4 U1#21.4 U1#22.4 U1#23.4 U1#24.4 U1#25.4 U1#26.4 U1#27.4 U1#28.4 U1#29.4 U1#30.4 U1#31.4 U1#32.4 U1#33.4 U1#34.4 U1#35.4 U1#36.4 U1#37.4 U1#38.4 U1#39.4 U1#40.4
Net-(C3-Pad1): C3.1 C3#2.1 C3#3.1 C3#4.1 C3#5.1 C3#6.1 C3#7.1 C3#8.1 C3#9.1 C3#10.1 C3#11.1 C3#12.1 C3#13.1 C3#14.1 C3#15.1 C3#16.1 C3#17.1 C3#18.1 C3#19.1 C3#20.1 C3#21.1 C3#22.1 C3#23.1 C3#24.1 C3#25.1 C3#26.1 C3#27.1 C3#28.1 C3#29.1 C3#30.1 C3#31.1 C3#32.1 C3#33.1 C3#34.1 C3#35.1 C3#36.1 C3#37.1 C3#38.1 C3#39.1 C3#40.1 J3.1 J3#2.1 J3#3.1 J3#4.1 J3#5.1 J3#6.1 J3#7.1 J3#8.1 J3#9.1 J3#10.1 J3#11.1 J3#12.1 J3#13.1 J3#14.1 J3#15.1 J3#16.1 J3#17.1 J3#18.1 J3#19.1 J3#20.1 J3#21.1 J3#22.1 J3#23.1 J3#24.1 J3#25.1 J3#26.1 J3#27.1 J3#28.1 J3#29.1 J3#30.1 J3#31.1 J3#32.1 J3#33.1 J3#34.1 J3#35.1 J3#36.1 J3#37.1 J3#38.1 J3#39.1 J3#40.1 U1.5 U1#2.5 U1#3.5 U1#4.5 U1#5.5 U1#6.5 U1#7.5 U1#8.5 U1#9.5 U1#10.5 U1#11.5 U1#12.5 U1#13.5 U1#14.5 U1#15.5 U1#16.5 U1#17.5 U1#18.5 U1#19.5 U1#20.5 U1#21.5 U1#22.5 U1#23.5 U1#24.5 U1#25.5 U1#26.5 U1#27.5 U1#28.5 U1#29.5 U1#30.5 U1#31.5 U1#32.5 U1#33.5 U1#34.5 U1#35.5 U1#36.5 U1#37.5 U1#38.5 U1#39.5 U1#40.5
Net-(J1-Pad3): J1.3 J1#2.3 J1#3.3 J1#4.3 J1#5.3 J1#6.3 J1#7.3 J1#8.3 J1#9.3 J1#10.3 J1#11.3 J1#12.3 J1#13.3 J1#14.3 J1#15.3 J1#16.3 J1#17.3 J1#18.3 J1#19.3 J1#20.3 J1#21.3 J1#22.3 J1#23.3 J1#24.3 J1#25.3 J1#26.3 J1#27.3 J1#28.3 J1#29.3 J1#30.3 J1#31.3 J1#32.3 J1#33.3 J1#34.3 J1#35.3 J1#36.3 J1#37.3 J1#38.3 J1#39.3 J1#40.3 Q1.3 Q1#2.3 Q1#3.3 Q1#4.3 Q1#5.3 Q1#6.3 Q1#7.3 Q1#8.3 Q1#9.3 Q1#10.3 Q1#11.3 Q1#12.3 Q1#13.3 Q1#14.3 Q1#15.3 Q1#16.3 Q1#17.3 Q1#18.3 Q1#19.3 Q1#20.3 Q1#21.3 Q1#22.3 Q1#23.3 Q1#24.3 Q1#25.3 Q1#26.3 Q1#27.3 Q1#28.3 Q1#29.3 Q1#30.3 Q1#31.3 Q1#32.3 Q1#33.3 Q1#34.3 Q1#35.3 Q1#36.3 Q1#37.3 Q1#38.3 Q1#39.3 Q1#40.3 R1.2 R1#2.2 R1#3.2 R1#4.2 R1#5.2 R1#6.2 R1#7.2 R1#8.2 R1#9.2 R1#10.2 R1#11.2 R1#12.2 R1#13.2 R1#14.2 R1#15.2 R1#16.2 R1#17.2 R1#18.2 R1#19.2 R1#20.2 R1#21.2 R1#22.2 R1#23.2 R1#24.2 R1#25.2 R1#26.2 R1#27.2 R1#28.2 R1#29.2 R1#30.2 R1#31.2 R1#32.2 R1#33.2 R1#34.2 R1#35.2 R1#36.2 R1#37.2 R1#38.2 R1#39.2 R1#40.2
Net-(J1-Pad4): J1.4 J1#2.4 J1#3.4 J1#4.4 J1#5.4 J1#6.4 J1#7.4 J1#8.4 J1#9.4 J1#10.4 J1#11.4 J1#12.4 J1#13.4 J1#14.4 J1#15.4 J1#16.4 J1#17.4 J1#18.4 J1#19.4 J1#20.4 J1#21.4 J1#22.4 J1#23.4 J1#24.4 J1#25.4 J1#26.4 J1#27.4 J1#28.4 J1#29.4 J1#30.4 J1#31.4 J1#32.4 J1#33.4 J1#34.4 J1#35.4 J1#36.4 J1#37.4 J1#38.4 J1#39.4 J1#40.4 Q2.3 Q2#2.3 Q2#3.3 Q2#4.3 Q2#5.3 Q2#6.3 Q2#7.3 Q2#8.3 Q2#9.3 Q2#10.3 Q2#11.3 Q2#12.3 Q2#13.3 Q2#14.3 Q2#15.3 Q2#16.3 Q2#17.3 Q2#18.3 Q2#19.3 Q2#20.3 Q2#21.3 Q2#22.3 Q2#23.3 Q2#24.3 Q2#25.3 Q2#26.3 Q2#27.3 Q2#28.3 Q2#29.3 Q2#30.3 Q2#31.3 Q2#32.3 Q2#33.3 Q2#34.3 Q2#35.3 Q2#36.3 Q2#37.3 Q2#38.3 Q2#39.3 Q2#40.3 R2.2 R2#2.2 R2#3.2 R2#4.2 R2#5.2 R2#6.2 R2#7.2 R2#8.2 R2#9.2 R2#10.2 R2#11.2 R2#12.2 R2#13.2 R2#14.2 R2#15.2 R2#16.2 R2#17.2 R2#18.2 R2#19.2 R2#20.2 R2#21.2 R2#22.2 R2#23.2 R2#24.2 R2#25.2 R2#26.2 R2#27.2 R2#28.2 R2#29.2 R2#30.2 R2#31.2 R2#32.2 R2#33.2 R2#34.2 R2#35.2 R2#36.2 R2#37.2 R2#38.2 R2#39.2 R2#40.2
Net-(J2-Pad2): J2.2 J2#2.2 J2#3.2 J2#4.2 J2#5.2 J2#6.2 J2#7.2 J2#8.2 J2#9.2 J2#10.2 J2#11.2 J2#12.2 J2#13.2 J2#14.2 J2#15.2 J2#16.2 J2#17.2 J2#18.2 J2#19.2 J2#20.2 J2#21.2 J2#22.2 J2#23.2 J2#24.2 J2#25.2 J2#26.2 J2#27.2 J2#28.2 J2#29.2 J2#30.2 J2#31.2 J2#32.2 J2#33.2 J2#34.2 J2#35.2 J2#36.2 J2#37.2 J2#38.2 J2#39.2 J2#40.2 R1.1 R1#2.1 R1#3.1 R1#4.1 R1#5.1 R1#6.1 R1#7.1 R1#8.1 R1#9.1 R1#10.1 R1#11.1 R1#12.1 R1#13.1 R1#14.1 R1#15.1 R1#16.1 R1#17.1 R1#18.1 R1#19.1 R1#20.1 R1#21.1 R1#22.1 R1#23.1 R1#24.1 R1#25.1 R1#26.1 R1#27.1 R1#28.1 R1#29.1 R1#30.1 R1#31.1 R1#32.1 R1#33.1 R1#34.1 R1#35.1 R1#36.1 R1#37.1 R1#38.1 R1#39.1 R1#40.1 R2.1 R2#2.1 R2#3.1 R2#4.1 R2#5.1 R2#6.1 R2#7.1 R2#8.1 R2#9.1 R2#10.1 R2#11.1 R2#12.1 R2#13.1 R2#14.1 R2#15.1 R2#16.1 R2#17.1 R2#18.1 R2#19.1 R2#20.1 R2#21.1 R2#22.1 R2#23.1 R2#24.1 R2#25.1 R2#26.1 R2#27.1 R2#28.1 R2#29.1 R2#30.1 R2#31.1 R2#32.1 R2#33.1 R2#34.1 R2#35.1 R2#36.1 R2#37.1 R2#38.1 R2#39.1 R2#40.1
Net-(J4-Pad1): J4.1 J4#2.1 J4#3.1 J4#4.1 J4#5.1 J4#6.1 J4#7.1 J4#8.1 J4#9.1 J4#10.1 J4#11.1 J4#12.1 J4#13.1 J4#14.1 J4#15.1 J4#16.1 J4#17.1 J4#18.1 J4#19.1 J4#20.1 J4#21.1 J4#22.1 J4#23.1 J4#24.1 J4#25.1 J4#26.1 J4#27.1 J4#28.1 J4#29.1 J4#30.1 J4#31.1 J4#32.1 J4#33.1 J4#34.1 J4#35.1 J4#36.1 J4#37.1 J4#38.1 J4#39.1 J4#40.1 J7.1 J7#2.1 J7#3.1 J7#4.1 J7#5.1 J7#6.1 J7#7.1 J7#8.1 J7#9.1 J7#10.1 J7#11.1 J7#12.1 J7#13.1 J7#14.1 J7#15.1 J7#16.1 J7#17.1 J7#18.1 J7#19.1 J7#20.1 J7#21.1 J7#22.1 J7#23.1 J7#24.1 J7#25.1 J7#26.1 J7#27.1 J7#28.1 J7#29.1 J7#30.1 J7#31.1 J7#32.1 J7#33.1 J7#34.1 J7#35.1 J7#36.1 J7#37.1 J7#38.1 J7#39.1 J7#40.1 U2.10 U2#2.10 U2#3.10 U2#4.10 U2#5.10 U2#6.10 U2#7.10 U2#8.10 U2#9.10 U2#10.10 U2#11.10 U2#12.10 U2#13.10 U2#14.10 U2#15.10 U2#16.10 U2#17.10 U2#18.10 U2#19.10 U2#20.10 U2#21.10 U2#22.10 U2#23.10 U2#24.10 U2#25.10 U2#26.10 U2#27.10 U2#28.10 U2#29.10 U2#30.10 U2#31.10 U2#32.10 U2#33.10 U2#34.10 U2#35.10 U2#36.10 U2#37.10 U2#38.10 U2#39.10 U2#40.10
Net-(J5-Pad1): J5.1 J5#2.1 J5#3.1 J5#4.1 J5#5.1 J5#6.1 J5#7.1 J5#8.1 J5#9.1 J5#10.1 J5#11.1 J5#12.1 J5#13.1 J5#14.1 J5#15.1 J5#16.1 J5#17.1 J5#18.1 J5#19.1 J5#20.1 J5#21.1 J5#22.1 J5#23.1 J5#24.1 J5#25.1 J5#26.1 J5#27.1 J5#28.1 J5#29.1 J5#30.1 J5#31.1 J5#32.1 J5#33.1 J5#34.1 J5#35.1 J5#36.1 J5#37.1 J5#38.1 J5#39.1 J5#40.1 J8.1 J8#2.1 J8#3.1 J8#4.1 J8#5.1 J8#6.1 J8#7.1 J8#8.1 J8#9.1 J8#10.1 J8#11.1 J8#12.1 J8#13.1 J8#14.1 J8#15.1 J8#16.1 J8#17.1 J8#18.1 J8#19.1 J8#20.1 J8#21.1 J8#22.1 J8#23.1 J8#24.1 J8#25.1 J8#26.1 J8#27.1 J8#28.1 J8#29.1 J8#30.1 J8#31.1 J8#32.1 J8#33.1 J8#34.1 J8#35.1 J8#36.1 J8#37.1 J8#38.1 J8#39.1 J8#40.1 U2.9 U2#2.9 U2#3.9 U2#4.9 U2#5.9 U2#6.9 U2#7.9 U2#8.9 U2#9.9 U2#10.9 U2#11.9 U2#12.9 U2#13.9 U2#14.9 U2#15.9 U2#16.9 U2#17.9 U2#18.9 U2#19.9 U2#20.9 U2#21.9 U2#22.9 U2#23.9 U2#24.9 U2#25.9 U2#26.9 U2#27.9 U2#28.9 U2#29.9 U2#30.9 U2#31.9 U2#32.9 U2#33.9 U2#34.9 U2#35.9 U2#36.9 U2#37.9 U2#38.9 U2#39.9 U2#40.9
